# KiCad board KB-PCB-R02_KiCad.kicad_pcb (continued)
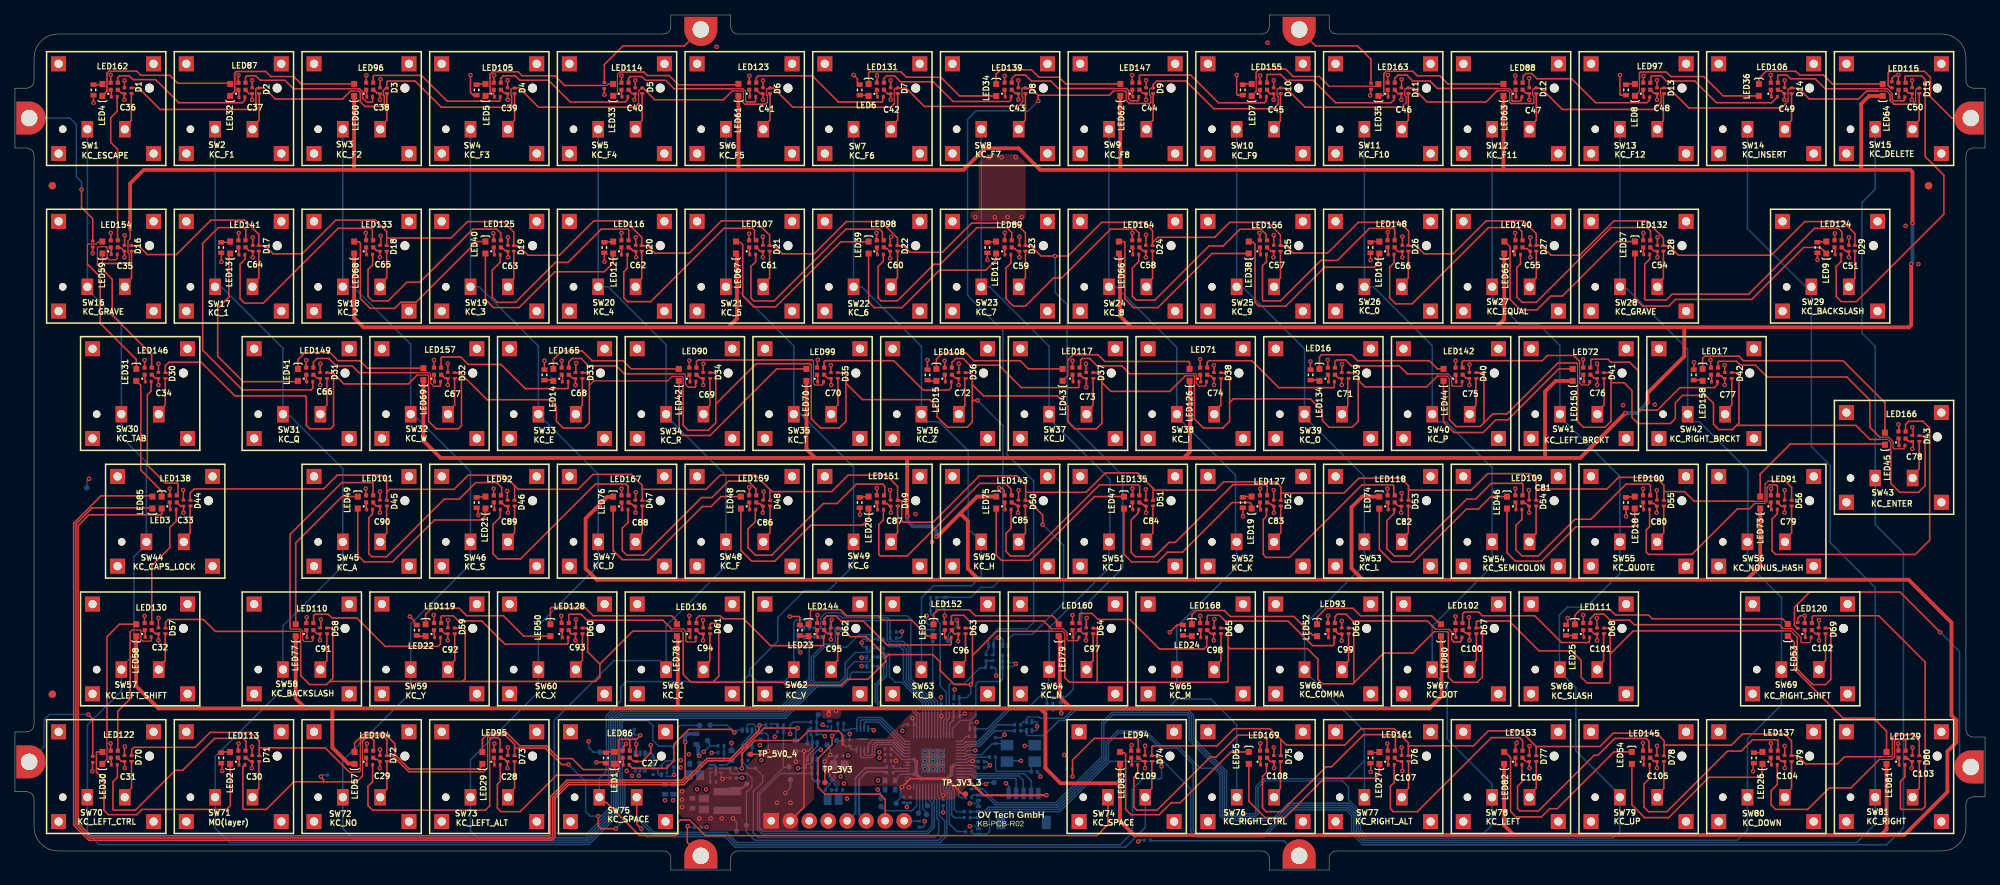
[diagram p0: board, top side]
## Nets (continued)
NetD94_1: D94.1 R160.1 SW14.1 SW29.1 SW81.1
NetD95_1: D95.1 R161.1 SW15.1 SW43.1
NetLED1_1: LED1.1 LED29.2
NetLED1_2: LED1.2 R22.1
NetLED2_1: LED2.1 LED30.2
NetLED2_2: LED2.2 R23.1
NetLED3_1: LED3.1 LED31.2
NetLED3_2: LED3.2 R24.1
NetLED4_1: LED4.1 LED32.2
NetLED4_2: LED4.2 R25.1
NetLED5_1: LED5.1 LED33.2
NetLED5_2: LED5.2 R26.1
NetLED6_1: LED6.1 LED34.2
NetLED6_2: LED6.2 R27.1
NetLED7_1: LED7.1 LED35.2
NetLED7_2: LED7.2 R28.1
NetLED8_1: LED8.1 LED36.2
NetLED8_2: LED8.2 R29.1
NetLED9_1: LED9.1 LED37.2
NetLED9_2: LED9.2 R30.1
NetLED10_1: LED10.1 LED38.2
NetLED10_2: LED10.2 R31.1
NetLED11_1: LED11.1 LED39.2
NetLED11_2: LED11.2 R32.1
NetLED12_1: LED12.1 LED40.2
NetLED12_2: LED12.2 R33.1
NetLED13_1: LED13.1 LED41.2
NetLED13_2: LED13.2 R34.1
NetLED14_1: LED14.1 LED42.2
NetLED14_2: LED14.2 R35.1
NetLED15_1: LED15.1 LED43.2
NetLED15_2: LED15.2 R36.1
NetLED16_1: LED16.1 LED44.2
NetLED16_2: LED16.2 R37.1
NetLED17_1: LED17.1 LED45.2
NetLED17_2: LED17.2 R38.1
NetLED18_1: LED18.1 LED46.2
NetLED18_2: LED18.2 R39.1
NetLED19_1: LED19.1 LED47.2
NetLED19_2: LED19.2 R40.1
NetLED20_1: LED20.1 LED48.2
NetLED20_2: LED20.2 R41.1
NetLED21_1: LED21.1 LED49.2
NetLED21_2: LED21.2 R42.1
NetLED22_1: LED22.1 LED50.2
NetLED22_2: LED22.2 R43.1
NetLED23_1: LED23.1 LED51.2
NetLED23_2: LED23.2 R44.1
NetLED24_1: LED24.1 LED52.2
NetLED24_2: LED24.2 R45.1
NetLED25_1: LED25.1 LED53.2
NetLED25_2: LED25.2 R46.1
NetLED26_1: LED26.1 LED54.2
NetLED26_2: LED26.2 R47.1
NetLED27_1: LED27.1 LED55.2
NetLED27_2: LED27.2 R48.1
NetLED29_1: LED29.1 LED57.2
NetLED30_1: LED30.1 LED58.2
NetLED31_1: LED31.1 LED59.2
NetLED32_1: LED32.1 LED60.2
NetLED33_1: LED33.1 LED61.2
NetLED34_1: LED34.1 LED62.2
NetLED35_1: LED35.1 LED63.2
NetLED36_1: LED36.1 LED64.2
NetLED37_1: LED37.1 LED65.2
NetLED38_1: LED38.1 LED66.2
NetLED39_1: LED39.1 LED67.2
NetLED40_1: LED40.1 LED68.2
NetLED41_1: LED41.1 LED69.2
NetLED42_1: LED42.1 LED70.2
NetLED43_1: LED43.1 LED71.2
NetLED44_1: LED44.1 LED72.2
NetLED45_1: LED45.1 LED73.2
NetLED46_1: LED46.1 LED74.2
NetLED47_1: LED47.1 LED75.2
NetLED48_1: LED48.1 LED76.2
NetLED49_1: LED49.1 LED77.2
NetLED50_1: LED50.1 LED78.2
NetLED51_1: LED51.1 LED79.2
NetLED52_1: LED52.1 LED80.2
NetLED53_1: LED53.1 LED81.2
NetLED54_1: LED54.1 LED82.2
NetLED55_1: LED55.1 LED83.2
NetLED57_1: LED57.1 LED58.1 LED59.1 LED60.1 LED61.1 LED62.1 LED63.1 LED64.1 LED65.1 LED66.1 LED67.1 LED68.1 LED69.1 LED70.1 LED71.1 LED72.1 LED73.1 LED74.1 LED75.1 LED76.1 LED77.1 LED78.1 LED79.1 LED80.1 LED81.1 LED82.1 LED83.1 U4.3
NetLED85_1: LED85.1 Q3.3
NetLED85_2: LED85.2 R54.1
NetLED86_1: LED86.1 R61.2
NetLED86_3: LED86.3 R67.2 TP_RGB_LED_OUT1.TP
NetLED87_1: LED87.1 R139.1
NetLED87_3: LED87.3 R68.2
NetLED88_1: LED88.1 R140.1
NetLED88_3: LED88.3 R69.2
NetLED89_1: LED89.1 R141.1
NetLED89_3: LED89.3 R70.2
NetLED90_1: LED90.1 R142.1
NetLED90_3: LED90.3 R71.2
NetLED91_1: LED91.1 R143.1
NetLED91_3: LED91.3 R72.2
NetLED92_1: LED92.1 R144.1
NetLED92_3: LED92.3 R73.2
NetLED93_1: LED93.1 R145.1
NetLED93_3: LED93.3 R74.2
NetLED94_1: LED94.1 R146.1
NetLED94_3: LED94.3 R62.2
NetLED95_1: LED95.1 R67.1
NetLED95_3: LED95.3 R75.2
NetLED96_1: LED96.1 R68.1
NetLED96_3: LED96.3 R76.2
NetLED97_1: LED97.1 R69.1
NetLED97_3: LED97.3 R77.2
NetLED98_1: LED98.1 R70.1
NetLED98_3: LED98.3 R78.2
NetLED99_1: LED99.1 R71.1
NetLED99_3: LED99.3 R79.2
NetLED100_1: LED100.1 R72.1
NetLED100_3: LED100.3 R80.2
NetLED101_1: LED101.1 R73.1
NetLED101_3: LED101.3 R81.2
NetLED102_1: LED102.1 R74.1
NetLED102_3: LED102.3 R82.2
NetLED104_1: LED104.1 R75.1
NetLED104_3: LED104.3 R83.2 TP_RGB_LED_OUT2.TP
NetLED105_1: LED105.1 R76.1
NetLED105_3: LED105.3 R84.2
NetLED106_1: LED106.1 R77.1
NetLED106_3: LED106.3 R85.2
NetLED107_1: LED107.1 R78.1
NetLED107_3: LED107.3 R86.2
NetLED108_1: LED108.1 R79.1
NetLED108_3: LED108.3 R87.2
NetLED109_1: LED109.1 R80.1
NetLED109_3: LED109.3 R88.2
NetLED110_1: LED110.1 R81.1
NetLED110_3: LED110.3 R89.2
NetLED111_1: LED111.1 R82.1
NetLED111_3: LED111.3 R90.2
NetLED113_1: LED113.1 R83.1
NetLED113_3: LED113.3 R91.2
NetLED114_1: LED114.1 R84.1
NetLED114_3: LED114.3 R92.2
NetLED115_1: LED115.1 R85.1
NetLED115_3: LED115.3 R93.2
NetLED116_1: LED116.1 R86.1
NetLED116_3: LED116.3 R94.2
NetLED117_1: LED117.1 R87.1
NetLED117_3: LED117.3 R95.2
NetLED118_1: LED118.1 R88.1
NetLED118_3: LED118.3 R96.2
NetLED119_1: LED119.1 R89.1
NetLED119_3: LED119.3 R97.2
NetLED120_1: LED120.1 R90.1
NetLED120_3: LED120.3 R98.2
NetLED122_1: LED122.1 R91.1
NetLED122_3: LED122.3 R99.2
NetLED123_1: LED123.1 R92.1
NetLED123_3: LED123.3 R100.2
NetLED124_1: LED124.1 R93.1
NetLED124_3: LED124.3 R101.2
NetLED125_1: LED125.1 R94.1
NetLED125_3: LED125.3 R102.2
NetLED126_1: LED126.1 R95.1
NetLED126_3: LED126.3 R103.2
NetLED127_1: LED127.1 R96.1
NetLED127_3: LED127.3 R104.2
NetLED128_1: LED128.1 R97.1
NetLED128_3: LED128.3 R105.2
NetLED129_1: LED129.1 R98.1
NetLED129_3: LED129.3 R106.2
NetLED130_1: LED130.1 R99.1
NetLED130_3: LED130.3 R107.2
NetLED131_1: LED131.1 R100.1
NetLED131_3: LED131.3 R108.2
NetLED132_1: LED132.1 R101.1
NetLED132_3: LED132.3 R109.2
NetLED133_1: LED133.1 R102.1
NetLED133_3: LED133.3 R110.2
NetLED134_1: LED134.1 R103.1
NetLED134_3: LED134.3 R111.2
NetLED135_1: LED135.1 R104.1
NetLED135_3: LED135.3 R112.2
NetLED136_1: LED136.1 R105.1
NetLED136_3: LED136.3 R113.2
NetLED137_1: LED137.1 R106.1
NetLED137_3: LED137.3 R114.2
NetLED138_1: LED138.1 R107.1
NetLED138_3: LED138.3 R115.2
NetLED139_1: LED139.1 R108.1
NetLED139_3: LED139.3 R116.2
NetLED140_1: LED140.1 R109.1
NetLED140_3: LED140.3 R117.2
NetLED141_1: LED141.1 R110.1
NetLED141_3: LED141.3 R118.2
NetLED142_1: LED142.1 R111.1
NetLED142_3: LED142.3 R119.2
NetLED143_1: LED143.1 R112.1
NetLED143_3: LED143.3 R120.2
NetLED144_1: LED144.1 R113.1
NetLED144_3: LED144.3 R121.2
NetLED145_1: LED145.1 R114.1
NetLED145_3: LED145.3 R122.2
NetLED146_1: LED146.1 R115.1
NetLED146_3: LED146.3 R123.2
NetLED147_1: LED147.1 R116.1
NetLED147_3: LED147.3 R124.2
NetLED148_1: LED148.1 R117.1
NetLED148_3: LED148.3 R125.2
NetLED149_1: LED149.1 R118.1
NetLED149_3: LED149.3 R126.2
NetLED150_1: LED150.1 R119.1
NetLED150_3: LED150.3 R127.2
NetLED151_1: LED151.1 R120.1
NetLED151_3: LED151.3 R128.2
NetLED152_1: LED152.1 R121.1
NetLED152_3: LED152.3 R129.2
NetLED153_1: LED153.1 R122.1
NetLED153_3: LED153.3 R130.2
NetLED154_1: LED154.1 R123.1
NetLED154_3: LED154.3 R131.2
NetLED155_1: LED155.1 R124.1
NetLED155_3: LED155.3 R132.2
NetLED156_1: LED156.1 R125.1
NetLED156_3: LED156.3 R133.2
NetLED157_1: LED157.1 R126.1
NetLED157_3: LED157.3 R134.2
NetLED158_1: LED158.1 R127.1
NetLED158_3: LED158.3 R135.2
NetLED159_1: LED159.1 R128.1
NetLED159_3: LED159.3 R136.2
NetLED160_1: LED160.1 R129.1
NetLED160_3: LED160.3 R137.2
NetLED161_1: LED161.1 R130.1
NetLED161_3: LED161.3 R138.2
NetLED162_1: LED162.1 R131.1
NetLED162_3: LED162.3 R139.2
NetLED163_1: LED163.1 R132.1
NetLED163_3: LED163.3 R140.2
NetLED164_1: LED164.1 R133.1
NetLED164_3: LED164.3 R141.2
NetLED165_1: LED165.1 R134.1
NetLED165_3: LED165.3 R142.2
NetLED166_1: LED166.1 R135.1
NetLED166_3: LED166.3 R143.2
NetLED167_1: LED167.1 R136.1
NetLED167_3: LED167.3 R144.2
NetLED168_1: LED168.1 R137.1
NetLED168_3: LED168.3 R145.2
NetLED169_1: LED169.1 R138.1
NetLED169_3: LED169.3 R146.2
NetMP1_1: MP1.1 R12.2
NetMP2_1: MP2.1 R13.2
NetMP3_1: MP3.1 R14.2
NetMP4_1: MP4.1 R15.2
NetMP5_1: MP5.1 R16.2
NetMP6_1: MP6.1 R17.2
NetMP7_1: MP7.1 R18.2
NetMP8_1: MP8.1 R19.2
NetQ2_3: Q2.3 R64.2
NetQ3_1: Q3.1 R57.2
NetQ4_1: Q4.1 R65.2
NetQ4_3: Q4.3 R63.1 R64.1
NetR20_1: R20.1 R21.2 U2.3
NetR50_1: R50.1 R53.2 TP_LEDW-CTRL.TP U1.37
NetR50_2: R50.2 U7.1
NetR51_1: R51.1 U7.4
NetR51_2: R51.2 R52.2 TP_LED-W_ON.TP U4.1
NetR55_2: R55.2 TP_W-LED-P_ON.TP U1.34 U5.7
NetR56_2: R56.2 R58.2 U5.5
NetR57_1: R57.1 R59.2 TP_CAPS_CTRL.TP U1.36
NetR60_1: R60.1 U6.1
NetR60_2: R60.2 R168.2 TP_RGB_CTRL.TP U1.35
NetR65_1: R65.1 R66.2 TP_RGB_P_CRTL.TP U1.32
NetR147_2: R147.2 U1.2
NetR148_2: R148.2 U1.3
NetR149_2: R149.2 U1.4
NetR150_2: R150.2 U1.5
NetR151_2: R151.2 U1.6
NetR152_2: R152.2 U1.8
NetR153_2: R153.2 U1.9
NetR154_2: R154.2 U1.15
NetR155_2: R155.2 U1.17
NetR156_2: R156.2 U1.18
NetR157_2: R157.2 U1.27
NetR158_2: R158.2 U1.28
NetR159_2: R159.2 U1.29
NetR160_2: R160.2 U1.30
NetR161_2: R161.2 U1.31
NetTP_IO26_TP: TP_IO26.TP U1.38
NetTP_IO27_TP: TP_IO27.TP U1.39
NetTP_IO28_TP: TP_IO28.TP U1.40
NetTP_IO29_TP: TP_IO29.TP U1.41
NetU6_3: U6.3 U6.6
NetU7_3: U7.3 U7.6
QSPI_SCLK: U1.52 U3.6
QSPI_SD0: U1.53 U3.5
QSPI_SD1: U1.55 U3.2
QSPI_SD2: U1.54 U3.3
QSPI_SD3: U1.51 U3.7
QSPI_SS: R10.2 R11.2 U1.56 U3.1
RGB-DATA: R61.1 TP_RGB_DATA.TP U6.4
RGB-LED-POWER: C27.1 C28.1 C29.1 C30.1 C31.1 C32.1 C33.1 C34.1 C35.1 C36.1 C37.1 C38.1 C39.1 C40.1 C41.1 C42.1 C43.1 C44.1 C45.1 C46.1 C47.1 C48.1 C49.1 C50.1 C51.1 C54.1 C55.1 C56.1 C57.1 C58.1 C59.1 C60.1 C61.1 C62.1 C63.1 C64.1 C65.1 C66.1 C67.1 C68.1 C69.1 C70.1 C71.1 C72.1 C73.1 C74.1 C75.1 C76.1 C77.1 C78.1 C79.1 C80.1 C81.1 C82.1 C83.1 C84.1 C85.1 C86.1 C87.1 C88.1 C89.1 C90.1 C91.1 C92.1 C93.1 C94.1 C95.1 C96.1 C97.1 C98.1 C99.1 C100.1 C101.1 C102.1 C103.1 C104.1 C105.1 C106.1 C107.1 C108.1 C109.1 LED86.2 LED87.2 LED88.2 LED89.2 LED90.2 LED91.2 LED92.2 LED93.2 LED94.2 LED95.2 LED96.2 LED97.2 LED98.2 LED99.2 LED100.2 LED101.2 LED102.2 LED104.2 LED105.2 LED106.2 LED107.2 LED108.2 LED109.2 LED110.2 LED111.2 LED113.2 LED114.2 LED115.2 LED116.2 LED117.2 LED118.2 LED119.2 LED120.2 LED122.2 LED123.2 LED124.2 LED125.2 LED126.2 LED127.2 LED128.2 LED129.2 LED130.2 LED131.2 LED132.2 LED133.2 LED134.2 LED135.2 LED136.2 LED137.2 LED138.2 LED139.2 LED140.2 LED141.2 LED142.2 LED143.2 LED144.2 LED145.2 LED146.2 LED147.2 LED148.2 LED149.2 LED150.2 LED151.2 LED152.2 LED153.2 LED154.2 LED155.2 LED156.2 LED157.2 LED158.2 LED159.2 LED160.2 LED161.2 LED162.2 LED163.2 LED164.2 LED165.2 LED166.2 LED167.2 LED168.2 LED169.2 Q2.1 Q2.2 Q2.5 Q2.6 TP_RGB_P.TP
RUN: J2_DBG.4 U1.26
S-ROW_0: C114.1 R8.2 R162.1 U1.12
S-ROW_1: C112.1 R6.2 R163.1 U1.16
S-ROW_2: C113.1 R7.2 R164.1 U1.11
S-ROW_3: C111.1 R5.2 R165.1 U1.14
S-ROW_4: C110.1 R4.1 R166.1 U1.13
S-ROW_5: C19.1 R3.2 R167.1 U1.7
SWCLK: J2_DBG.2 U1.24
SWDIO: J2_DBG.3 U1.25
USB_D_N: J_IN1.6 R1.1
USB_D_P: J_IN1.5 R2.1
USB_MCU_D_N: R1.2 U1.46
USB_MCU_D_P: R2.2 U1.47
VREG_VOUT: C1.1 C2.1 C3.1 U1.23 U1.45 U1.50
XIN: C16.1 U1.20 XTAL1.3
XOUT: R9.1 U1.21

Pads without a net: FD1 FD; FD2 FD; FD3 FD; FD4 FD; FD5 FD; FD6 FD; J2_DBG MT; SW1 MT; SW2 MT; SW3 MT; SW4 MT; SW5 MT; SW6 MT; SW7 MT; SW8 MT; SW9 MT; SW10 MT; SW11 MT; SW12 MT; SW13 MT; SW14 MT; SW15 MT; SW16 MT; SW17 MT; SW18 MT; SW19 MT; SW20 MT; SW21 MT; SW22 MT; SW23 MT; SW24 MT; SW25 MT; SW26 MT; SW27 MT; SW28 MT; SW29 MT; SW30 MT; SW31 MT; SW32 MT; SW33 MT; SW34 MT; SW35 MT; SW36 MT; SW37 MT; SW38 MT; SW39 MT; SW40 MT; SW41 MT; SW42 MT; SW43 MT; SW44 MT; SW45 MT; SW46 MT; SW47 MT; SW48 MT; SW49 MT; SW50 MT; SW51 MT; SW52 MT; SW53 MT; SW54 MT; SW55 MT; SW56 MT; SW57 MT; SW58 MT; SW59 MT; SW60 MT; SW61 MT; SW62 MT; SW63 MT; SW64 MT; SW65 MT; SW66 MT; SW67 MT; SW68 MT; SW69 MT; SW70 MT; SW71 MT; SW72 MT; SW73 MT; SW74 MT; SW75 MT; SW76 MT; SW77 MT; SW78 MT; SW79 MT; SW80 MT; SW81 MT; U3 9

## Via types
v1: diameter 0.6, hole 0.3, SIG_TOP to SIG_BOTTOM, 412 vias
v2: diameter 0.5, hole 0.3, SIG_TOP to SIG_BOTTOM, 9 vias

## Routing (per net, layer and track width the routed paths; a pad name or vN(x,y) marks a point on that pad's centre or on a via; arc(x,y) is an arc through that point)
3V3: length 68.1
  SIG_TOP w0.2: v1(97.2,13.61) 97.2,15.59 98.93,17.32 104.81,17.32 106.09,18.59 110.13,18.59 110.6,18.13 110.6,16.7 ; 108.29,11.72 108.29,13.54 v1(108.27,13.56) ; v1(118.6,11.11) 119.7,12.21 124.59,12.21 126.39,10.41 126.4,10.41 126.57,10.24 126.98,10.24 TP_3V3_3.TP
  SIG_TOP w0.3: 127.55,11.97 129.52,10.01 v1(137.9,10.01)
  SIG_BOTTOM w0.2: 136.85,10.11 136.95,10.01 v1(137.9,10.01) ; v1(109,15.41) 109,15.31 108.29,14.61 v1(108.29,14.52) 108.28,14.51 108.28,13.57 v1(108.27,13.56) ; v1(109,15.41) 109,16.16 108.6,16.56 TP_3V3_4.TP ; v1(109,15.41) 109.2,15.21 109.9,15.21 109.9,15.16 109.55,14.81 109.55,14.09 C11.1 109.47,13.86 108.93,13.31 U2.1 ; TP_3V3_2.TP 110.8,17.32 110.8,16.81 111.04,16.57 C18.1 ; U1.48 U1.49 ; 123.77,10.84 123.77,10.34 v1(124.1,10.01) C7.1 ; U1.10 123.77,20.26 123.79,20.29 123.79,20.5 v1(123.87,20.58) ; C14.1 120.18,19.48 120.18,20.02 120,20.2 v1(120,20.31) ; U1.1 120.17,19.47 ; 111.7,16.57 111.7,16.26 111.84,16.11 U3.8 ; v1(118.6,11.11) 118.6,11 118.39,10.79 118.39,9.67 117.99,9.27 117.99,9.25 117.87,9.13 117.85,9.13 ; 123.81,20.59 123.81,21.32 ; U1.22 127.32,14.41 127.5,14.59 v1(128.02,14.59) 128.06,14.55 128.76,14.55 C8.1 ; 119.33,14.01 119.67,14.01 ; U1.42 120.17,11.29 ; 119.33,14.41 119.67,14.41 ; 110.79,17.32 R10.1 ; R55.1 v1(97.2,13.61)
  vias: v1(117.77,14.62) v1(119.53,11.06)
5V0: length 31.5
  SIG_TOP w0.2: TP_5V0_4.TP 100.26,15.47 v1(100.7,15.91) ; J_IN1.2 105.49,8.42 105.49,15.9
  SIG_BOTTOM w0.2: 95.5,12.31 94.85,12.31 94.71,12.17 v1(94.6,12.17) 94.6,12.27 94.4,12.47 94.4,13.03 94.4,13.03 U5.8 ; J_IN1.2 103.65,6.62 ; 108.45,11 108.93,11.48 108.93,11.49 ; v1(96,6.91) 96.48,6.43 TP_5V0_2.TP ; U6.5 97.91,18.72 97.91,19.39 98.03,19.51 98.75,19.51 99.05,19.2 99.05,18.57 99.28,18.34 99.66,18.34 C26.1 99.71,18.29 100.41,18.29 100.7,18.01 v1(100.7,15.91) ; v1(102.99,10.3) 103.7,11.01 103.7,12.06 ; v1(104.4,14.51) R54.2 v1(105.5,15.91) 106.08,15.91 106.6,16.43 U7.5 106.6,17.91 106.4,18.11 C115.1
  vias: v1(89.19,10.51) v1(89.19,9.41) v1(89.19,8.41) v1(91.5,6.91) v1(93,6.91) v1(94.5,6.91) v1(101.89,9) v1(103.69,9)
5V0_EXT_EN: length 2.1
  SIG_BOTTOM w0.2: J_IN1.8 118.91,6.55 120.86,6.55 R49.1 120.84,6.53
12V0: length 1183.2
  SIG_TOP w0.2: v1(130.01,81.57) 130.01,81.57 R32.2 ; v1(240.99,81.6) R30.2 ; v1(207.6,33.71) 207.6,32.97 207.4,32.77 R46.2 ; 122,66.93 122,68.19 ; v1(27.6,81.31) 27.6,82.51 ; R29.2 214.7,103.62 214.59,103.73 v1(214.59,106.31) ; R27.2 112.84,105.02 112.64,105.22 112.64,105.79 v1(112.13,106.31) ; v1(52.8,33.91) 53.42,33.29 53.42,32.97 53.62,32.77 R43.2 ; v1(154.4,31.81) 155.36,32.77 R45.2 ; R26.2 61.7,103.6 61.27,103.6 60.91,103.97 v1(60.91,106.31) ; v1(77.74,14.41) 79,14.41 ; 181.24,82.62 R31.2 181.24,81.58 v1(181.26,81.56) ; v1(173.2,68.01) 173.2,66.95 R37.2 ; v1(112.98,47.52) 112.98,48.49 ; v1(232.4,13.21) 232.4,14.41 232.5,14.51 ; R44.2 104.94,33.77 104.8,33.91 v1(103.6,33.91) ; v1(78.83,81.34) 78.8,81.31 R33.2 78.8,82.61 ; v1(181.26,13.12) 181.26,14.27 181.3,14.31 ; 224.52,66.71 224.5,66.74 v1(224.5,67.91) ; R35.2 v1(70.79,68.11) ; R28.2 163.46,103.62 163.35,103.73 v1(163.35,106.31) ; v1(61.94,47.44) 61.94,48.44 ; v1(27.7,13.24) 27.7,14.41 ; v1(10.5,102.59) R25.2 ; v1(164.2,47.31) 164.2,48.61 ; v1(215.4,47.31) 215.4,48.51
  PWR w1: 110.91,47.52 110.91,58.88 123.19,71.16 123.19,80.9 123.87,81.57 v1(130.01,81.57) 130.01,85.07 131,86.06 v1(131,87.31) ; 110.91,47.52 106.09,42.71 106.09,34 103.6,31.51 ; 110.91,47.52 v1(112.98,47.52) ; 174.03,46.33 166.42,38.73 166.42,28.37 ; 174.03,46.33 183.5,55.81 183.5,72.74 ; 174.03,46.33 165.17,46.33 v1(164.2,47.31) ; 103.6,31.51 98.1,26.01 98.1,22.51 92.1,16.51 v1(92.1,15.81) 91.58,15.29 v1(91.5,15.29) ; 103.6,31.51 v1(103.6,33.91) ; 38.83,21.97 50.84,33.98 54.9,38.03 54.9,47.08 57.03,49.21 ; v1(27.6,81.31) 27.6,87.96 25.9,89.66 7.83,89.66 ; v1(232.4,13.21) 233.36,13.21 233.95,12.62 233.95,5.14 233.41,4.61 ; 60.28,110.21 88.31,110.21 88.9,109.62 88.9,106.43 89.49,105.85 93.53,105.85 97.69,110.01 129.1,110.01 ; 60.28,110.21 60.37,110.12 60.37,106.84 v1(60.91,106.31) ; 60.28,110.21 11.3,110.21 7.83,106.73 7.83,101.01 ; 183.5,72.74 183.5,79.32 v1(181.26,81.56) ; 183.5,72.74 177.93,72.74 v1(173.2,68.01) ; v1(77.74,14.41) 77.74,14.25 75.8,12.31 72,12.31 64,4.31 25,4.31 ; 7.83,89.66 7.83,7.48 11,4.31 25,4.31 ; 7.83,89.66 7.83,101.01 ; 57.03,49.21 63.9,56.08 63.9,63.43 68.58,68.11 ; 57.03,49.21 58.79,47.44 v1(61.94,47.44) ; 233.41,4.61 254.81,4.61 255.4,5.19 255.4,107.91 253.3,110.01 217.19,110.01 ; 233.41,4.61 200.7,4.61 ; v1(154.4,31.81) 156.87,29.34 165.46,29.34 166.42,28.37 ; 223.34,67.91 v1(224.5,67.91) ; 223.34,67.91 237.14,81.71 240.89,81.71 v1(240.99,81.6) ; 223.34,67.91 220.14,64.71 214.56,64.71 213.5,63.64 213.5,50.7 210.41,47.61 ; 200.7,4.61 204.6,8.51 204.6,14.74 204.6,14.74 204.6,15.73 204.6,30.22 207.6,33.22 v1(207.6,33.71) 207.6,39.04 209,40.45 209,46.2 210.41,47.61 ; 200.7,4.61 182.83,4.61 178.6,8.84 178.6,12.82 178.31,13.11 174.99,13.11 174.4,13.69 174.4,21.31 170.3,25.41 167.01,25.41 166.42,25.99 166.42,28.37 ; 178.31,13.12 v1(181.26,13.12) ; 217.19,110.01 182.98,110.01 178.91,105.94 170.57,105.94 167,109.51 162.69,109.51 ; 217.19,110.01 214.59,107.4 v1(214.59,106.31) ; 7.83,101.01 8.2,101.01 9.79,102.59 v1(10.5,102.59) ; v1(112.13,106.31) 112.24,106.42 112.24,109.51 ; v1(215.4,47.31) 215.1,47.61 210.41,47.61 ; 68.58,68.11 71.9,71.43 71.9,79.05 74.18,81.34 v1(78.83,81.34) ; 68.58,68.11 v1(70.79,68.11) ; 162.69,109.51 162.69,106.97 v1(163.35,106.31) ; 162.69,109.51 162.1,109.51 161.6,110.01 129.1,110.01 ; 38.73,21.97 34.9,21.97 32.62,19.69 27.38,19.69 25,17.3 25,4.31 ; 120.4,68.21 121.9,68.21 ; 25.63,13.24 27.7,13.24 v1(27.7,13.24) ; 129.1,110.01 129.1,105.31 131.9,102.51 v1(131.9,95.31) ; 50.91,33.91 v1(52.8,33.91)
  SIG_BOTTOM w0.2: TP_12V0.TP 92.6,17.16 92.9,16.86 92.9,16.61 ; 92.9,16.61 v1(92.1,15.81) ; 92.9,16.61 R56.1 94,16.61 ; 91.6,12.56 C23.1 91.8,12.9
  SIG_BOTTOM w0.5: v1(91.5,15.29) 91.5,15.31 91.37,15.44 91.37,16.46 91.25,16.58 91.25,16.76 91.2,16.81 R24.2
  vias: v1(122.01,68.21) v1(128.4,87.31) v1(130.3,95.31) v1(132.7,87.31) v1(133.81,95.31) v1(134.6,87.31)
GND: length 275.4
  SIG_TOP w0.2: 81.27,15.93 81.42,16.08 81.39,16.11 81.39,16.53 81.7,16.84 v1(81.7,16.88) ; 14.72,15.37 14.79,15.3 ; C86.2 100.1,49.53 v1(100.1,50.61) ; LED87.4 v1(29.87,106.28) ; v1(217.67,16.99) 217.68,16.99 217.68,16.08 217.7,16.06 ; v1(158.47,33.99) 158.46,33.98 158.46,33.04 LED168.4 ; v1(217.73,85.18) 217.71,85.17 217.71,84.22 LED132.4 ; C38.2 48.84,104.64 48.84,105.72 v1(48.88,105.76) ; C75.2 194.47,66.53 194.47,67.6 v1(194.48,67.61) ; 56.01,32.9 56.01,34.1 v1(56,34.11) ; 239.12,32.98 239.12,32.99 239.3,33.16 239.3,33.17 239.3,34 v1(239.3,34.01) 238.7,34.01 238.36,33.66 R18.1 ; v1(209.68,68.28) 209.68,68.27 209.68,67.18 LED150.4 ; v1(92.04,67.71) 92.01,67.68 C69.2 ; v1(47.05,16.92) 47,16.86 47,15.93 46.95,15.88 ; C66.2 40.81,66.54 40.81,67.69 v1(40.83,67.71) ; v1(64,51.01) 64.01,51 64.01,50.19 64.12,50.08 ; 48.9,49.5 48.83,49.5 48.8,49.54 48.8,50.6 v1(48.8,50.61) ; v1(19.2,33.71) 19.18,33.69 C32.2 ; 217.69,50.01 217.68,50.02 217.68,51 v1(217.69,51.01) ; v1(149.39,85.21) 149.39,84.21 LED164.4 ; 48.8,15.3 v1(48.8,16.11) ; C62.2 v1(83,84.61) ; v1(9.89,52.31) 9.89,52.44 ; 141.22,32.98 141.22,33.11 141.27,33.15 141.34,33.15 141.4,33.21 v1(141.4,34.11) ; 177.46,32.4 177.45,32.4 177.39,32.47 177.39,33.3 v1(177.4,33.31) ; C98.2 160.34,32.41 160.34,33.53 v1(160.37,33.56) ; v1(65.9,16.41) 65.88,16.39 65.88,15.39 65.97,15.3 66,15.3 ; 100.01,83.5 100.01,84.7 ; 209.69,33.01 209.68,33.02 209.68,34.1 v1(209.69,34.11) ; 251.79,15.99 251.82,16.01 251.82,16.89 v1(251.8,16.91) ; v1(64.1,16.91) 64.02,16.83 64.02,15.98 63.92,15.88 ; v1(211.53,67.71) 211.53,67.6 211.61,67.52 211.61,66.6 ; 98.18,50.05 98.17,50.05 98.17,51.14 v1(98.18,51.15) ; v1(200.6,51.01) 200.6,51 200.6,50.1 200.66,50.04 ; v1(183.5,16.91) 183.52,16.89 183.52,15.99 183.62,15.88 ; v1(10.34,13.2) 10.37,13.23 10.37,14.38 R12.1 ; v1(143.3,33.71) 143.23,33.64 C97.2 ; v1(109.2,33.48) 109.14,33.42 109.14,32.46 109.2,32.4 ; 48.8,83.6 48.81,83.6 48.9,83.69 v1(48.9,84.81) ; v1(57.9,33.41) 57.9,32.47 57.96,32.4 58,32.4 ; 236.6,49.5 v1(236.6,50.81) ; C106.2 202.48,15.33 202.48,16.56 v1(202.51,16.58) ; v1(149.41,51.01) 149.42,51 149.42,49.99 149.42,49.98 ; v1(168.3,50.81) 168.3,49.54 168.34,49.54 ; LED126.4 v1(158.46,68.31) ; v1(149.38,106.29) 149.38,106.29 149.38,105.28 LED147.4 ; v1(12.81,106.33) 12.8,106.32 12.8,105.31 12.8,105.3 ; v1(253.7,16.41) 253.7,15.39 253.78,15.31 253.81,15.31 ; v1(131.6,51.11) 131.68,51.03 132,51.03 132.26,50.77 132.26,50.08 ; 192.42,32.98 192.43,32.98 192.61,33.16 v1(192.61,33.94) ; LED117.4 141.39,67.19 141.39,68.1 v1(141.4,68.11) ; 81.06,50.02 81.1,50.05 81.1,51 v1(81.1,51.01) ; v1(219.52,50.78) 219.52,50.78 219.52,49.45 C80.2 ; v1(166.5,51.01) 166.48,50.98 166.48,49.99 ; v1(160.3,67.5) 160.3,66.52 C74.2 ; 241.2,32.4 v1(241.2,33.41) ; C41.2 v1(100.01,105.61) ; LED96.4 46.97,105.3 46.97,106.26 v1(46.99,106.28) ; LED105.4 64.04,105.31 64.04,106.22 v1(64.07,106.25) ; 66,49.5 65.87,49.5 65.83,49.54 65.83,50.67 v1(65.8,50.71) ; 126.1,32.3 126.1,33.15 125.94,33.31 v1(125.94,33.42) ; 219.6,83.6 v1(219.6,84.61) ; LED114.4 81.09,105.29 81.09,106.2 v1(81.1,106.21) ; 126.2,66.6 v1(126.2,67.71) ; v1(234.8,51.01) 234.78,50.99 234.78,50.13 234.75,50.1 ; 183.52,105.28 183.55,105.31 183.55,106.3 v1(183.56,106.31) ; C45.2 v1(168.29,105.61) ; v1(10.41,82.46) 10.4,82.48 R13.1 ; v1(134.16,105.61) 134.16,104.75 134.11,104.7 ; 211.58,32.32 211.51,32.39 211.51,33.69 v1(211.5,33.71) ; v1(98.2,106.21) 98.18,106.19 98.18,105.3 LED123.4 ; LED124.4 243.3,84.23 243.3,85.11 v1(243.32,85.13) ; C42.2 v1(117.08,105.61) ; 132.31,84.09 132.33,84.12 132.33,85.22 v1(132.35,85.24) ; 29.92,15.88 29.85,15.95 29.85,16.86 v1(29.9,16.91) ; v1(115.25,106.25) 115.24,106.23 115.24,105.29 LED131.4 ; 202.47,104.6 202.46,104.62 202.46,105.88 v1(202.46,105.88) ; v1(83.07,16.84) 83.08,16.83 83.08,15.31 C27.2 ; 92.1,32.4 92.07,32.4 92.01,32.47 92.01,33.4 v1(92,33.41) ; v1(185.41,105.74) 185.39,105.72 185.39,104.63 C46.2 ; 82.98,49.62 82.98,50.48 v1(83,50.51) ; 168.35,15.31 168.31,15.35 168.31,16.4 v1(168.3,16.41) ; 245.19,84.6 245.19,84.59 245.19,83.51 245.2,83.5 ; v1(151.2,50.91) 151.2,49.54 151.27,49.47 151.3,49.47 ; LED106.4 v1(234.76,106.31) ; v1(166.51,16.94) 166.49,16.92 166.49,15.9 166.48,15.9 ; 202.54,49.5 202.47,49.5 202.43,49.54 202.43,50.78 v1(202.4,50.81) ; LED154.4 12.81,84.22 12.81,85.19 v1(12.82,85.2) ; 202.6,83.6 v1(202.6,84.61) ; C36.2 v1(14.65,105.61) ; 107.22,32.98 107.27,33.03 107.27,34.08 v1(107.3,34.11) ; 81.1,84.11 81.09,84.11 81.09,85.2 v1(81.1,85.21) ; v1(22.49,50.82) 22.51,50.8 22.51,49.54 22.5,49.53 22.5,49.53 ; 115.06,84.03 115.18,84.16 115.18,84.19 115.21,84.21 115.21,85.16 v1(115.18,85.19) ; v1(181.19,103.57) 181.25,103.63 181.25,104.35 R17.1 ; v1(117.16,84.65) 117.16,84.54 117.02,84.4 117.02,83.62 117.01,83.61 117.01,83.6 ; 183.52,49.98 183.52,49.99 183.52,50.99 v1(183.5,51.01) ; C109.2 151.1,15.31 v1(151.1,16.61) ; v1(134.3,84.71) C59.2 134.3,83.5 ; 166.39,84.15 166.42,84.17 166.42,85.16 v1(166.39,85.19) ; v1(194.4,33.8) 194.42,33.78 194.42,32.4 194.44,32.38 ; 236.55,104.62 236.57,104.6 ; v1(90.16,34.01) 90.17,34.01 90.17,33.03 LED136.4 ; 75,32.5 v1(75,33.51) ; R16.1 78.8,103.69 v1(78.81,103.68) ; v1(185.4,50.41) 185.4,49.54 185.44,49.5 185.49,49.5 ; 185.51,83.5 185.51,84.7 ; 143.24,66.56 143.22,66.58 143.22,67.69 v1(143.2,67.71) ; 151.2,83.6 151.21,83.62 151.21,84.93 v1(151.23,84.95) ; v1(124.3,34.01) 124.26,33.97 124.26,32.98 124.23,32.94 ; 12.8,16 12.79,16.01 12.79,16.93 v1(12.78,16.94) ; 115.24,50.04 115.23,50.05 115.23,51.06 v1(115.23,51.07) ; v1(14.7,16.51) 14.65,16.45 C31.2 ; 168.51,84.91 168.51,84.8 168.3,84.6 168.3,83.7 ; 151.23,105.71 v1(151.23,105.61) 151.23,104.67 151.32,104.59 ; 107.27,67.15 107.29,67.16 107.29,68.18 v1(107.34,68.23) ; C50.2 v1(253.66,105.61) ; v1(75.03,67.81) 74.99,67.76 74.99,66.57 C68.2 ; v1(166.49,106.26) 166.48,106.24 166.48,105.31 166.45,105.28 ; LED146.4 v1(17.34,68.2) ; v1(40.9,33.51) 40.9,33.5 40.9,32.41 40.91,32.41 ; 200.62,15.88 200.62,16.73 200.8,16.9 v1(200.8,17.01) ; LED139.4 132.33,105.29 132.33,106.18 v1(132.33,106.19) ; 57.86,66.55 57.88,66.57 57.88,67.69 57.9,67.71 ; v1(39,33.81) 38.99,33.79 38.99,32.91 38.97,32.9 ; C85.2 134.18,49.47 134.18,50.79 v1(134.2,50.81) ; C40.2 v1(82.93,105.61) ; 185.5,15.39 185.49,15.39 185.4,15.48 v1(185.4,16.41) ; 251.72,58.58 251.9,58.76 251.9,59.01 251.9,59.61 ; v1(149.3,16.7) 149.24,16.65 LED94.4 149.24,15.88 ; 228.6,66.45 v1(228.6,67.5) ; 251.82,105.28 251.82,106.29 v1(251.8,106.31) 251.72,106.23 251.32,106.23 250.94,105.85 R19.1 ; LED90.4 v1(90.17,68.12) ; v1(38.94,68.17) 38.94,68.17 38.94,67.18 LED149.4 ; C35.2 14.66,83.54 14.66,84.86 v1(14.66,84.87) ; LED165.4 v1(73.09,68.11) ; C48.2 v1(219.54,105.61) ; v1(73.05,34.01) 73.07,33.98 73.07,32.93 73.06,32.92 ; 239.29,32.98 239.29,32.99 ; v1(19.18,67.71) 19.18,66.61 19.24,66.56 19.24,66.56 ; v1(63.96,85.17) 63.99,85.14 63.99,84.29 63.96,84.26 ; LED108.4 124.31,67.19 124.31,68.1 v1(124.3,68.11) ; v1(65.9,84.61) C63.2 65.9,83.51 ; 236.62,15.31 236.62,16.59 v1(236.6,16.61) ; 219.53,15.38 219.54,15.39 219.54,16.6 v1(219.55,16.61) ; LED137.4 v1(234.76,16.91) ; 217.7,105.28 217.72,105.31 217.72,106.15 v1(217.74,106.17) ; 183.52,84.08 183.53,84.08 183.53,85.3 v1(183.54,85.31) ; LED157.4 v1(56.02,68.21) ; v1(200.6,106.25) 200.61,106.23 200.61,105.29 200.62,105.28 ; C71.2 177.41,66.55 177.41,67.58 v1(177.44,67.61) ; v1(117,50.81) 117.04,50.76 117.04,49.54 117.08,49.5 117.13,49.5 ; 20.7,50.12 v1(20.7,51.01) ; 98.15,84.01 98.15,85.11 ; 109.1,66.6 v1(109.1,67.51) ; C37.2 v1(31.72,105.61) ; 29.91,84.1 29.89,84.12 29.89,85.17 v1(29.91,85.19) ; v1(17.32,33.99) 17.32,33.05 LED130.4 ; v1(46.9,85.21) 46.92,85.18 46.92,84.12 46.9,84.09 ; v1(175.58,34.01) 175.56,33.98 175.56,33.11 175.42,32.98 ; 200.57,84.13 200.59,84.15 200.59,85.18 v1(200.57,85.21) ; LED158.4 226.73,67.21 226.73,68.18 v1(226.7,68.21) ; LED134.4 v1(175.53,68.21) ; v1(46.9,51.01) 46.92,50.98 46.92,49.98 ; C49.2 v1(236.6,105.61) ; C39.2 v1(65.86,105.61) ; 31.71,15.29 31.71,16.5 v1(31.7,16.51) ; C64.2 v1(31.8,84.61) ; 253.8,58.1 253.8,59.21 ; LED142.4 192.61,67.81